# Altium PCB top_LM_v3.PcbDoc (part 3 of 6)
Units mil, origin at the board's own origin, x right, y up, seen from the top; angles counter-clockwise.
Board outline 10500 x 5830 mil, 2 copper layers (Top Layer, Bottom Layer); 771 components, 701 nets, 1994 pads, 493 vias.
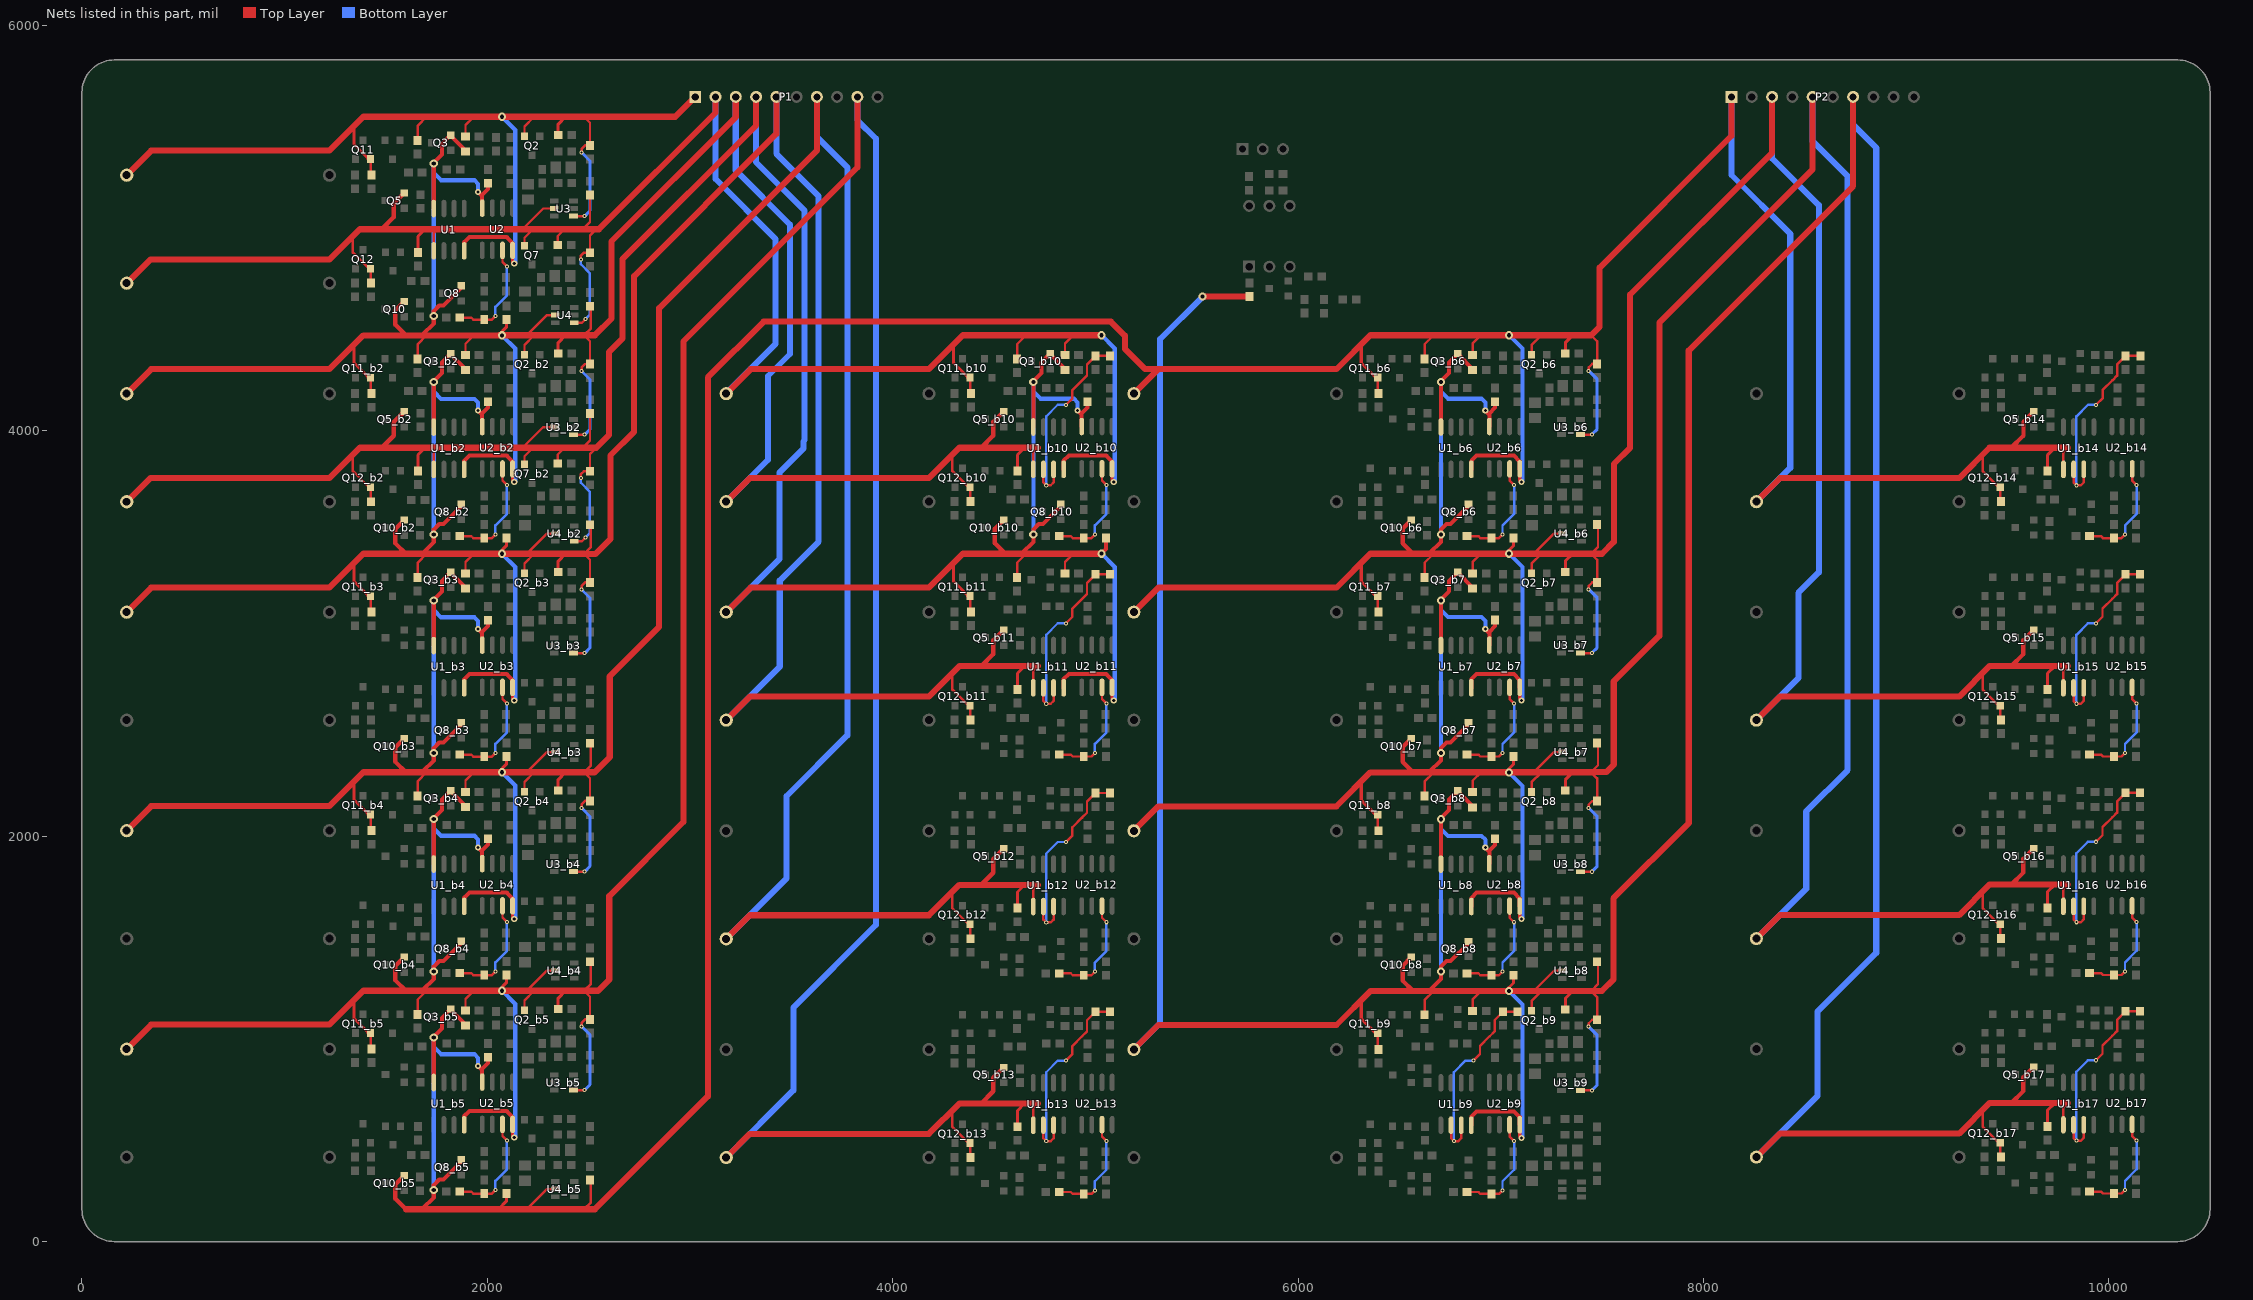
[diagram p3: the nets of this part, all layers, seen from the top]

## Via types
v1: diameter 20, hole 10, Top Layer to Bottom Layer, 402 vias
v2: diameter 40, hole 20, Top Layer to Bottom Layer, 53 vias
v3: diameter 30, hole 15, Top Layer to Bottom Layer, 34 vias
v4: diameter 125.98, hole 125.98, Top Layer to Bottom Layer, 4 vias

## Nets (pads, with @x,y where several pads share a name; then routed paths per layer and width w, separated by ;. In a path a pad name is that pad's centre, name@x,y a point inside that pad or via, vN(x,y) a via of type N, cw(c..) or ccw(c..) an arc to the next point about the centre after c; other vN are vias at no path point) (continued)
G1_VC2_BUF_b9: R45_b9.1 R47_b9.1 U1_b9.6 U1_b9.7 | length 1025.4
  Top Layer w12: U1_b9.6@6755.08,574.09 6755.08,509.58 v1(6769.08,495.58) 6791.08,495.58 6805.08,509.58 U1_b9.7@6805.08,574.09 ; v1(6866.08,892.58) 6898.08,924.58 6898.08,965.01 6945.76,1012.7 6946.19,1012.7 6970.08,1036.58 6970.08,1092.05 R47_b9.1@7012.08,1134.05 R45_b9.1@7084.08,1134.05
  Bottom Layer w12: v1(6769.08,495.58) 6769.08,835.58 6826.08,892.58 v1(6866.08,892.58)
G1_VC2_BUF_b10: R45_b10.1 R47_b10.1 U1_b10.6 U1_b10.7 | length 1025.4
  Top Layer w12: U1_b10.6@4743.82,3810.09 4743.82,3745.58 v1(4757.82,3731.58) 4779.82,3731.58 4793.82,3745.58 U1_b10.7@4793.82,3810.09 ; v1(4854.82,4128.58) 4886.82,4160.58 4886.82,4201.01 4934.51,4248.7 4934.94,4248.7 4958.82,4272.58 4958.82,4328.05 R47_b10.1@5000.82,4370.05 R45_b10.1@5072.82,4370.05
  Bottom Layer w12: v1(4757.82,3731.58) 4757.82,4071.58 4814.82,4128.58 v1(4854.82,4128.58)
G1_VC2_BUF_b11: R45_b11.1 R47_b11.1 U1_b11.6 U1_b11.7 | length 1025.4
  Top Layer w12: U1_b11.6@4743.82,2732.09 4743.82,2667.58 v1(4757.82,2653.58) 4779.82,2653.58 4793.82,2667.58 U1_b11.7@4793.82,2732.09 ; v1(4854.82,3050.58) 4886.82,3082.58 4886.82,3123.01 4934.51,3170.7 4934.94,3170.7 4958.82,3194.58 4958.82,3250.05 R47_b11.1@5000.82,3292.05 R45_b11.1@5072.82,3292.05
  Bottom Layer w12: v1(4757.82,2653.58) 4757.82,2993.58 4814.82,3050.58 v1(4854.82,3050.58)
G1_VC2_BUF_b12: R45_b12.1 R47_b12.1 U1_b12.6 U1_b12.7 | length 1025.4
  Top Layer w12: U1_b12.6@4743.82,1653.09 4743.82,1588.58 v1(4757.82,1574.58) 4779.82,1574.58 4793.82,1588.58 U1_b12.7@4793.82,1653.09 ; v1(4854.82,1971.58) 4886.82,2003.58 4886.82,2044.01 4934.51,2091.7 4934.94,2091.7 4958.82,2115.58 4958.82,2171.05 R47_b12.1@5000.82,2213.05 R45_b12.1@5072.82,2213.05
  Bottom Layer w12: v1(4757.82,1574.58) 4757.82,1914.58 4814.82,1971.58 v1(4854.82,1971.58)
G1_VC2_BUF_b13: R45_b13.1 R47_b13.1 U1_b13.6 U1_b13.7 | length 1025.4
  Top Layer w12: U1_b13.6@4743.82,574.09 4743.82,509.58 v1(4757.82,495.58) 4779.82,495.58 4793.82,509.58 U1_b13.7@4793.82,574.09 ; v1(4854.82,892.58) 4886.82,924.58 4886.82,965.01 4934.51,1012.7 4934.94,1012.7 4958.82,1036.58 4958.82,1092.05 R47_b13.1@5000.82,1134.05 R45_b13.1@5072.82,1134.05
  Bottom Layer w12: v1(4757.82,495.58) 4757.82,835.58 4814.82,892.58 v1(4854.82,892.58)
G1_VC2_BUF_b14: R45_b14.1 R47_b14.1 U1_b14.6 U1_b14.7 | length 1025.4
  Top Layer w12: U1_b14.6@9826.82,3810.09 9826.82,3745.58 v1(9840.82,3731.58) 9862.82,3731.58 9876.82,3745.58 U1_b14.7@9876.82,3810.09 ; v1(9937.82,4128.58) 9969.82,4160.58 9969.82,4201.01 10017.51,4248.7 10017.94,4248.7 10041.82,4272.58 10041.82,4328.05 R47_b14.1@10083.82,4370.05 R45_b14.1@10155.82,4370.05
  Bottom Layer w12: v1(9840.82,3731.58) 9840.82,4071.58 9897.82,4128.58 v1(9937.82,4128.58)
G1_VC2_BUF_b15: R45_b15.1 R47_b15.1 U1_b15.6 U1_b15.7 | length 1025.4
  Top Layer w12: U1_b15.6@9826.57,2732.09 9826.57,2667.58 v1(9840.57,2653.58) 9862.57,2653.58 9876.57,2667.58 U1_b15.7@9876.57,2732.09 ; v1(9937.57,3050.58) 9969.57,3082.58 9969.57,3123.01 10017.26,3170.7 10017.69,3170.7 10041.57,3194.58 10041.57,3250.05 R47_b15.1@10083.57,3292.05 R45_b15.1@10155.57,3292.05
  Bottom Layer w12: v1(9840.57,2653.58) 9840.57,2993.58 9897.57,3050.58 v1(9937.57,3050.58)
G1_VC2_BUF_b16: R45_b16.1 R47_b16.1 U1_b16.6 U1_b16.7 | length 1025.4
  Top Layer w12: U1_b16.6@9826.57,1654.09 9826.57,1589.58 v1(9840.57,1575.58) 9862.57,1575.58 9876.57,1589.58 U1_b16.7@9876.57,1654.09 ; v1(9937.57,1972.58) 9969.57,2004.58 9969.57,2045.01 10017.26,2092.7 10017.69,2092.7 10041.57,2116.58 10041.57,2172.05 R47_b16.1@10083.57,2214.05 R45_b16.1@10155.57,2214.05
  Bottom Layer w12: v1(9840.57,1575.58) 9840.57,1915.58 9897.57,1972.58 v1(9937.57,1972.58)
G1_VC2_BUF_b17: R45_b17.1 R47_b17.1 U1_b17.6 U1_b17.7 | length 1025.4
  Top Layer w12: U1_b17.6@9826.57,576.09 9826.57,511.58 v1(9840.57,497.58) 9862.57,497.58 9876.57,511.58 U1_b17.7@9876.57,576.09 ; v1(9937.57,894.58) 9969.57,926.58 9969.57,967.01 10017.26,1014.7 10017.69,1014.7 10041.57,1038.58 10041.57,1094.05 R47_b17.1@10083.57,1136.05 R45_b17.1@10155.57,1136.05
  Bottom Layer w12: v1(9840.57,497.58) 9840.57,837.58 9897.57,894.58 v1(9937.57,894.58)
G1_VC2_DISCH: R22.1 R50.2 U2.7 | length 543.2
  Top Layer w12: R22.1@1864.29,4558.58 1920.82,4558.58 1930.29,4549.12 R50.2@1984.82,4549.12 2022.36,4549.12 v1(2039.82,4566.58) ; U2.7@2074.82,4890.37 2074.82,4832.58 v1(2096.82,4810.58)
  Bottom Layer w12: v1(2039.82,4566.58) 2039.82,4611.58 2096.82,4668.58 v1(2096.82,4810.58)
G1_VC2_DISCH_b2: R22_b2.1 R50_b2.2 U2_b2.7 | length 543.2
  Top Layer w12: R22_b2.1@1864.29,3480.26 1920.82,3480.26 1930.29,3470.8 R50_b2.2@1984.82,3470.8 2022.36,3470.8 v1(2039.82,3488.26) ; U2_b2.7@2074.82,3812.05 2074.82,3754.26 v1(2096.82,3732.26)
  Bottom Layer w12: v1(2039.82,3488.26) 2039.82,3533.26 2096.82,3590.26 v1(2096.82,3732.26)
G1_VC2_DISCH_b3: R22_b3.1 R50_b3.2 U2_b3.7 | length 543.2
  Top Layer w12: R22_b3.1@1864.29,2402.26 1920.82,2402.26 1930.29,2392.8 R50_b3.2@1984.82,2392.8 2022.36,2392.8 v1(2039.82,2410.26) ; U2_b3.7@2074.82,2734.05 2074.82,2676.26 v1(2096.82,2654.26)
  Bottom Layer w12: v1(2039.82,2410.26) 2039.82,2455.26 2096.82,2512.26 v1(2096.82,2654.26)
G1_VC2_DISCH_b4: R22_b4.1 R50_b4.2 U2_b4.7 | length 543.2
  Top Layer w12: R22_b4.1@1864.29,1324.26 1920.82,1324.26 1930.29,1314.8 R50_b4.2@1984.82,1314.8 2022.36,1314.8 v1(2039.82,1332.26) ; U2_b4.7@2074.82,1656.05 2074.82,1598.26 v1(2096.82,1576.26)
  Bottom Layer w12: v1(2039.82,1332.26) 2039.82,1377.26 2096.82,1434.26 v1(2096.82,1576.26)
G1_VC2_DISCH_b5: R22_b5.1 R50_b5.2 U2_b5.7 | length 543.2
  Top Layer w12: R22_b5.1@1864.29,246.26 1920.82,246.26 1930.29,236.8 R50_b5.2@1984.82,236.8 2022.36,236.8 v1(2039.82,254.26) ; U2_b5.7@2074.82,578.05 2074.82,520.26 v1(2096.82,498.26)
  Bottom Layer w12: v1(2039.82,254.26) 2039.82,299.26 2096.82,356.26 v1(2096.82,498.26)
G1_VC2_DISCH_b6: R22_b6.1 R50_b6.2 U2_b6.7 | length 543.2
  Top Layer w12: R22_b6.1@6833.54,3480.58 6890.08,3480.58 6899.54,3471.12 R50_b6.2@6954.08,3471.12 6991.61,3471.12 v1(7009.08,3488.58) ; U2_b6.7@7044.08,3812.37 7044.08,3754.58 v1(7066.08,3732.58)
  Bottom Layer w12: v1(7009.08,3488.58) 7009.08,3533.58 7066.08,3590.58 v1(7066.08,3732.58)
G1_VC2_DISCH_b7: R22_b7.1 R50_b7.2 U2_b7.7 | length 543.2
  Top Layer w12: R22_b7.1@6833.54,2402.58 6890.08,2402.58 6899.54,2393.12 R50_b7.2@6954.08,2393.12 6991.61,2393.12 v1(7009.08,2410.58) ; U2_b7.7@7044.08,2734.37 7044.08,2676.58 v1(7066.08,2654.58)
  Bottom Layer w12: v1(7009.08,2410.58) 7009.08,2455.58 7066.08,2512.58 v1(7066.08,2654.58)
G1_VC2_DISCH_b8: R22_b8.1 R50_b8.2 U2_b8.7 | length 543.2
  Top Layer w12: R22_b8.1@6833.54,1323.58 6890.08,1323.58 6899.54,1314.12 R50_b8.2@6954.08,1314.12 6991.61,1314.12 v1(7009.08,1331.58) ; U2_b8.7@7044.08,1655.37 7044.08,1597.58 v1(7066.08,1575.58)
  Bottom Layer w12: v1(7009.08,1331.58) 7009.08,1376.58 7066.08,1433.58 v1(7066.08,1575.58)
G1_VC2_DISCH_b9: R22_b9.1 R50_b9.2 U2_b9.7 | length 543.2
  Top Layer w12: R22_b9.1@6833.54,244.58 6890.08,244.58 6899.54,235.12 R50_b9.2@6954.08,235.12 6991.61,235.12 v1(7009.08,252.58) ; U2_b9.7@7044.08,576.37 7044.08,518.58 v1(7066.08,496.58)
  Bottom Layer w12: v1(7009.08,252.58) 7009.08,297.58 7066.08,354.58 v1(7066.08,496.58)
G1_VC2_DISCH_b10: R22_b10.1 R50_b10.2 U2_b10.7 | length 543.2
  Top Layer w12: R22_b10.1@4822.29,3480.58 4878.82,3480.58 4888.29,3471.12 R50_b10.2@4942.82,3471.12 4980.36,3471.12 v1(4997.82,3488.58) ; U2_b10.7@5032.82,3812.37 5032.82,3754.58 v1(5054.82,3732.58)
  Bottom Layer w12: v1(4997.82,3488.58) 4997.82,3533.58 5054.82,3590.58 v1(5054.82,3732.58)
G1_VC2_DISCH_b11: R22_b11.1 R50_b11.2 U2_b11.7 | length 543.2
  Top Layer w12: R22_b11.1@4822.29,2402.58 4878.82,2402.58 4888.29,2393.12 R50_b11.2@4942.82,2393.12 4980.36,2393.12 v1(4997.82,2410.58) ; U2_b11.7@5032.82,2734.37 5032.82,2676.58 v1(5054.82,2654.58)
  Bottom Layer w12: v1(4997.82,2410.58) 4997.82,2455.58 5054.82,2512.58 v1(5054.82,2654.58)
G1_VC2_DISCH_b12: R22_b12.1 R50_b12.2 U2_b12.7 | length 543.2
  Top Layer w12: R22_b12.1@4822.29,1323.58 4878.82,1323.58 4888.29,1314.12 R50_b12.2@4942.82,1314.12 4980.36,1314.12 v1(4997.82,1331.58) ; U2_b12.7@5032.82,1655.37 5032.82,1597.58 v1(5054.82,1575.58)
  Bottom Layer w12: v1(4997.82,1331.58) 4997.82,1376.58 5054.82,1433.58 v1(5054.82,1575.58)
G1_VC2_DISCH_b13: R22_b13.1 R50_b13.2 U2_b13.7 | length 543.2
  Top Layer w12: R22_b13.1@4822.29,244.58 4878.82,244.58 4888.29,235.12 R50_b13.2@4942.82,235.12 4980.36,235.12 v1(4997.82,252.58) ; U2_b13.7@5032.82,576.37 5032.82,518.58 v1(5054.82,496.58)
  Bottom Layer w12: v1(4997.82,252.58) 4997.82,297.58 5054.82,354.58 v1(5054.82,496.58)
G1_VC2_DISCH_b14: R22_b14.1 R50_b14.2 U2_b14.7 | length 543.2
  Top Layer w12: R22_b14.1@9905.29,3480.58 9961.82,3480.58 9971.29,3471.12 R50_b14.2@10025.82,3471.12 10063.36,3471.12 v1(10080.82,3488.58) ; U2_b14.7@10115.82,3812.37 10115.82,3754.58 v1(10137.82,3732.58)
  Bottom Layer w12: v1(10080.82,3488.58) 10080.82,3533.58 10137.82,3590.58 v1(10137.82,3732.58)
G1_VC2_DISCH_b15: R22_b15.1 R50_b15.2 U2_b15.7 | length 543.2
  Top Layer w12: R22_b15.1@9905.04,2402.58 9961.57,2402.58 9971.04,2393.12 R50_b15.2@10025.57,2393.12 10063.11,2393.12 v1(10080.57,2410.58) ; U2_b15.7@10115.57,2734.37 10115.57,2676.58 v1(10137.57,2654.58)
  Bottom Layer w12: v1(10080.57,2410.58) 10080.57,2455.58 10137.57,2512.58 v1(10137.57,2654.58)
G1_VC2_DISCH_b16: R22_b16.1 R50_b16.2 U2_b16.7 | length 543.2
  Top Layer w12: R22_b16.1@9905.04,1324.58 9961.57,1324.58 9971.04,1315.12 R50_b16.2@10025.57,1315.12 10063.11,1315.12 v1(10080.57,1332.58) ; U2_b16.7@10115.57,1656.37 10115.57,1598.58 v1(10137.57,1576.58)
  Bottom Layer w12: v1(10080.57,1332.58) 10080.57,1377.58 10137.57,1434.58 v1(10137.57,1576.58)
G1_VC2_DISCH_b17: R22_b17.1 R50_b17.2 U2_b17.7 | length 543.2
  Top Layer w12: R22_b17.1@9905.04,246.58 9961.57,246.58 9971.04,237.12 R50_b17.2@10025.57,237.12 10063.11,237.12 v1(10080.57,254.58) ; U2_b17.7@10115.57,578.37 10115.57,520.58 v1(10137.57,498.58)
  Bottom Layer w12: v1(10080.57,254.58) 10080.57,299.58 10137.57,356.58 v1(10137.57,498.58)
IN_A0: P1.1 Q2.2 Q11.2 R1.2 R6.2 R7.2 R8.2 R9.2 R40.1 U1.8 U2.8 U3.4 | length 5496
  Top Layer w12: Q11.2@1424.23,5341.32 1424.23,5266.64 R40.1@1428.82,5262.05 ; R6.2@1655.69,5432.79 1655.69,5505.11 1700.44,5549.86 ; R9.2@1892.36,5452.58 1892.36,5508.39 1933.82,5549.86 ; Q2.2@2183.6,5453.26 2183.6,5501.63 2231.82,5549.86 ; U3.4@2425.24,5059.6 v1(2480.4,5059.6) ; v1(2465,5374) 2465,5391 2482.32,5408.32 R8.2@2506.69,5408.32 2506.69,5520.24 2477.08,5549.86
  Top Layer w15: 1342.82,5499.11 1342.82,5413.14 Q11.2@1414.64,5341.32 ; U2.8@2124.82,4890.37 2124.82,4833.58 v3(2132.82,4825.58) ; R7.2@2349.54,5460 2349.54,5513.39 2386,5549.86
  Top Layer w20: Q11.2@1414.64,5341.32 Q11.2@1424.23,5341.32 ; U1.8@1885.82,4888.09 1885.82,4930.58 1911.82,4956.58 2095.82,4956.58 2124.82,4927.58 U2.8@2124.82,4890.37
  Top Layer w30: R1.2@220.82,5261.58 341.85,5382.61 1220.82,5382.61 1388.08,5549.86 1700.44,5549.86 1933.82,5549.86 v2(2071.69,5549.86) 2231.82,5549.86 2386,5549.86 2477.08,5549.86 2927.36,5549.86 P1.1@3025.82,5648.32
  Bottom Layer w15: 2137.82,5388.18 2137.82,5390 ; v1(2465,5374) 2507,5332 2507,5086.2 v1(2480.4,5059.6)
  Bottom Layer w20: v2(2071.69,5549.86) 2137.82,5483.72 2137.82,5390 ; v3(2132.82,4825.58) 2137.82,4830.58 2137.82,5388.18
IN_A1: P1.3 Q2_b2.2 Q3.2 Q5_b10.2 Q8.2 Q10.2 Q11_b2.2 Q12_b10.2 R1_b2.2 R6_b2.2 R7_b2.2 R8_b2.2 R9_b2.2 R12.1 R14_b10.2 R19_b10.2 R24.1 R40_b2.1 R42_b10.1 R44.2 R48.2 U1.4 U1_b2.8 U1_b10.5 U2.4 U2_b2.8 U3_b2.4 U4.2 | length 13736.5
  Top Layer w12: Q11_b2.2@1424.23,4263 1424.23,4188.32 R40_b2.1@1428.82,4183.72 ; R6_b2.2@1655.69,4354.46 1655.69,4426.79 1700.44,4471.54 ; R9_b2.2@1892.36,4374.26 1892.36,4430.07 1933.82,4471.54 ; Q2_b2.2@2183.6,4374.94 2183.6,4423.31 2231.82,4471.54 ; 2195.54,4472.54 2294,4571 U4.2@2334.76,4571 ; U3_b2.4@2425.24,3981.28 v1(2480.4,3981.28) ; v1(2465,4295.68) 2465,4312.68 2482.32,4330 R8_b2.2@2506.69,4330 2506.69,4441.92 2477.08,4471.54 ; 2477.41,4472.2 2511,4505.78 2511,4611.08 R24.1@2506.69,4615.39 ; 4294.82,3881.36 4294.82,3801.58 4374.08,3722.32 Q12_b10.2@4382.23,3722.32 4382.23,3653.64 R42_b10.1@4384.82,3651.05 ; U1_b10.5@4693.82,3810.09 4693.82,3894.86 4715.82,3916.86
  Top Layer w15: 1342.82,4420.79 1342.82,4334.82 Q11_b2.2@1414.64,4263 ; v2@2058,4471.79 2058,4475 2093.82,4510.82 R44.2@2093.82,4549.12 ; U2_b2.8@2124.82,3812.05 2124.82,3755.26 v3(2132.82,3747.26) ; R7_b2.2@2349.54,4381.68 2349.54,4435.07 2386,4471.54 ; R19_b10.2@4615.69,3802.32 4615.69,3881.86 4650.69,3916.86 4654.69,3916.86
  Top Layer w20: Q11_b2.2@1414.64,4263 Q11_b2.2@1424.23,4263 ; 1679.69,4474.39 1735.82,4530.53 v2(1735.82,4566.58) 1735.82,4591.58 1762.82,4618.58 1784.27,4618.58 1872.08,4706.4 Q8.2@1872.08,4715.98 ; U1.4@1735.82,5097.07 v2(1735.82,5318.58) 1735.82,5324.58 1775.82,5364.58 1775.82,5415.72 Q3.2@1819.08,5458.98 1819.08,5456.23 1892.36,5382.96 R12.1@1892.36,5377.58 ; U1_b2.8@1885.82,3809.77 1885.82,3852.26 1911.82,3878.26 2095.82,3878.26 2124.82,3849.26 U2_b2.8@2124.82,3812.05 ; v3(1954.82,5178.58) 1968.82,5164.58 1974.82,5164.58 ; U2.4@1974.82,5099.34 1974.82,5164.58 ; R48.2@2002.82,5222.12 2002.82,5192.58 1974.82,5164.58
  Top Layer w22: Q10.2@1589.95,4638.26 1546.69,4595 1546.69,4522.86 1597.01,4472.54 ; 4436.69,3916.86 4496.69,3976.86 4496.69,4044 Q5_b10.2@4547.95,4095.26
  Top Layer w30: R1_b2.2@220.82,4183.26 341.85,4304.28 1220.82,4304.28 1388.08,4471.54 1700.44,4471.54 1933.82,4471.54 v2(2071.69,4471.54) ; v2@2058,4471.79 2530.82,4471.79 2612.82,4553.79 2612.82,4934.9 3225.82,5547.9 P1.3@3225.82,5648.32 ; R14_b10.2@3178.82,3650.58 3295.1,3766.86 4178.82,3766.86 4328.82,3916.86 4436.69,3916.86 4650.69,3916.86 ; 4654.69,3916.86 4715.82,3916.86
  Bottom Layer w15: 2137.82,4309.86 2137.82,4311.68 ; v1(2465,4295.68) 2507,4253.68 2507,4007.88 v1(2480.4,3981.28)
  Bottom Layer w20: v2(1735.82,4566.58) 1735.82,5271.58 ; v2(1735.82,5318.58) 1735.82,5271.58 ; v3(1954.82,5178.58) 1954.82,5217.58 1935.82,5236.58 1770.82,5236.58 1735.82,5271.58 ; v2(2071.69,4471.54) 2137.82,4405.4 2137.82,4311.68 ; v3(2132.82,3747.26) 2137.82,3752.26 2137.82,4309.86
  Bottom Layer w30: R14_b10.2@3178.82,3650.58 3384.82,3856.58 3384.82,4270.59 3493.56,4379.32 3493.56,5017.06 3225.82,5284.79 P1.3@3225.82,5648.32
IN_A2: P1.5 Q2_b3.2 Q3_b2.2 Q5_b11.2 Q8_b2.2 Q10_b2.2 Q11_b3.2 Q12_b11.2 R1_b3.2 R6_b3.2 R7_b3.2 R8_b3.2 R9_b3.2 R12_b2.1 R14_b11.2 R19_b11.2 R24_b2.1 R40_b3.1 R42_b11.1 R44_b2.2 R48_b2.2 U1_b2.4 U1_b3.8 U1_b11.5 U2_b2.4 U2_b3.8 U3_b3.4 U4_b2.2 | length 16877.8
  Top Layer w12: Q11_b3.2@1424.23,3185 1424.23,3110.32 R40_b3.1@1428.82,3105.72 ; R6_b3.2@1655.69,3276.46 1655.69,3348.79 1700.37,3393.46 1700.44,3393.54 ; R9_b3.2@1892.36,3296.26 1892.36,3352.07 1933.75,3393.46 1933.82,3393.54 ; Q2_b3.2@2183.6,3296.94 2183.6,3345.31 2231.75,3393.46 2231.82,3393.54 ; 2195.54,3394.21 2294,3492.68 U4_b2.2@2334.76,3492.68 ; U3_b3.4@2425.24,2903.28 v1(2480.4,2903.28) ; v1(2465,3217.68) 2465,3234.68 2482.32,3252 R8_b3.2@2506.69,3252 2506.69,3363.92 2477.15,3393.46 2477.08,3393.54 ; 2477.41,3393.87 2511,3427.46 2511,3532.76 R24_b2.1@2506.69,3537.07 ; 4294.82,2803.36 4294.82,2723.58 4374.08,2644.32 Q12_b11.2@4382.23,2644.32 4382.23,2575.64 R42_b11.1@4384.82,2573.05 ; U1_b11.5@4693.82,2732.09 4693.82,2816.86 4715.82,2838.86
  Top Layer w15: 1342.82,3342.79 1342.82,3256.82 Q11_b3.2@1414.64,3185 ; v2@2058,3393.46 2058,3393.54 2058,3396.68 2093.82,3432.5 R44_b2.2@2093.82,3470.8 ; U2_b3.8@2124.82,2734.05 2124.82,2677.26 v3(2132.82,2669.26) ; R7_b3.2@2349.54,3303.68 2349.54,3357.07 2385.93,3393.46 2386,3393.54 ; R19_b11.2@4615.69,2724.32 4615.69,2803.86 4650.69,2838.86 4654.69,2838.86
  Top Layer w20: Q11_b3.2@1414.64,3185 Q11_b3.2@1424.23,3185 ; 1679.69,3396.07 1735.82,3452.2 v2(1735.82,3488.26) 1735.82,3513.26 1762.82,3540.26 1784.27,3540.26 1872.08,3628.08 Q8_b2.2@1872.08,3637.66 ; U1_b2.4@1735.82,4018.75 v2(1735.82,4240.26) 1735.82,4246.26 1775.82,4286.26 1775.82,4337.4 Q3_b2.2@1819.08,4380.66 1819.08,4377.91 1892.36,4304.64 R12_b2.1@1892.36,4299.26 ; U1_b3.8@1885.82,2731.77 1885.82,2774.26 1911.82,2800.26 2095.82,2800.26 2124.82,2771.26 U2_b3.8@2124.82,2734.05 ; v3(1954.82,4100.26) 1968.82,4086.26 1974.82,4086.26 ; U2_b2.4@1974.82,4021.02 1974.82,4086.26 ; R48_b2.2@2002.82,4143.8 2002.82,4114.26 1974.82,4086.26
  Top Layer w22: Q10_b2.2@1589.95,3559.94 1546.69,3516.68 1546.69,3444.54 1597.01,3394.21 ; 4436.69,2838.86 4496.69,2898.86 4496.69,2966 Q5_b11.2@4547.95,3017.26
  Top Layer w30: R1_b3.2@220.82,3105.26 341.85,3226.28 1220.82,3226.28 1388.08,3393.54 1700.44,3393.54 1933.82,3393.54 2058,3393.54 v2(2071.69,3393.54) 2231.82,3393.54 2386,3393.54 2477.08,3393.54 ; 1597.76,3393.46 1700.37,3393.46 1933.75,3393.46 2058,3393.46 2231.75,3393.46 2385.93,3393.46 2477.15,3393.46 2534.5,3393.46 2606.82,3465.79 2606.82,3878.32 2724,3995.5 2724,4763.23 3425.82,5465.06 P1.5@3425.82,5648.32 ; R14_b11.2@3178.82,2572.58 3295.1,2688.86 4178.82,2688.86 4328.82,2838.86 4436.69,2838.86 4650.69,2838.86 ; 4654.69,2838.86 4715.82,2838.86
  Bottom Layer w15: 2137.82,3231.86 2137.82,3233.68 ; v1(2465,3217.68) 2507,3175.68 2507,2929.88 v1(2480.4,2903.28)
  Bottom Layer w20: v2(1735.82,3488.26) 1735.82,4193.26 ; v2(1735.82,4240.26) 1735.82,4193.26 ; v3(1954.82,4100.26) 1954.82,4139.26 1935.82,4158.26 1770.82,4158.26 1735.82,4193.26 ; v2(2071.69,3393.54) 2137.82,3327.4 2137.82,3233.68 ; v3(2132.82,2669.26) 2137.82,2674.26 2137.82,3231.86
  Bottom Layer w30: R14_b11.2@3178.82,2572.58 3442.82,2836.58 3442.82,3261.32 3634.98,3453.48 3634.98,5158.48 3425.82,5367.64 P1.5@3425.82,5648.32
IN_A3: P1.7 Q2_b4.2 Q3_b3.2 Q5_b12.2 Q8_b3.2 Q10_b3.2 Q11_b4.2 Q12_b12.2 R1_b4.2 R6_b4.2 R7_b4.2 R8_b4.2 R9_b4.2 R12_b3.1 R14_b12.2 R19_b12.2 R24_b3.1 R40_b4.1 R42_b12.1 R44_b3.2 R48_b3.2 U1_b3.4 U1_b4.8 U1_b12.5 U2_b3.4 U2_b4.8 U3_b4.4 U4_b3.2 | length 19148.9
  Top Layer w12: Q11_b4.2@1424.23,2107 1424.23,2032.32 R40_b4.1@1428.82,2027.72 ; R6_b4.2@1655.69,2198.46 1655.69,2270.79 1700.37,2315.46 1700.44,2315.54 ; R9_b4.2@1892.36,2218.26 1892.36,2274.07 1933.75,2315.46 1933.82,2315.54 ; Q2_b4.2@2183.6,2218.94 2183.6,2267.31 2231.75,2315.46 2231.82,2315.54 ; 2195.54,2316.21 2294,2414.68 U4_b3.2@2334.76,2414.68 ; U3_b4.4@2425.24,1825.28 v1(2480.4,1825.28) ; v1(2465,2139.68) 2465,2156.68 2482.32,2174 R8_b4.2@2506.69,2174 2506.69,2285.92 2477.15,2315.46 2477.08,2315.54 ; 2477.41,2315.87 2511,2349.46 2511,2454.76 R24_b3.1@2506.69,2459.07 ; 4294.82,1724.36 4294.82,1644.58 4374.08,1565.32 Q12_b12.2@4382.23,1565.32 4382.23,1496.64 R42_b12.1@4384.82,1494.05 ; U1_b12.5@4693.82,1653.09 4693.82,1737.86 4715.82,1759.86